# Altium PCB SysUprTestUUDown.PcbDoc (part 2 of 3) (continued)
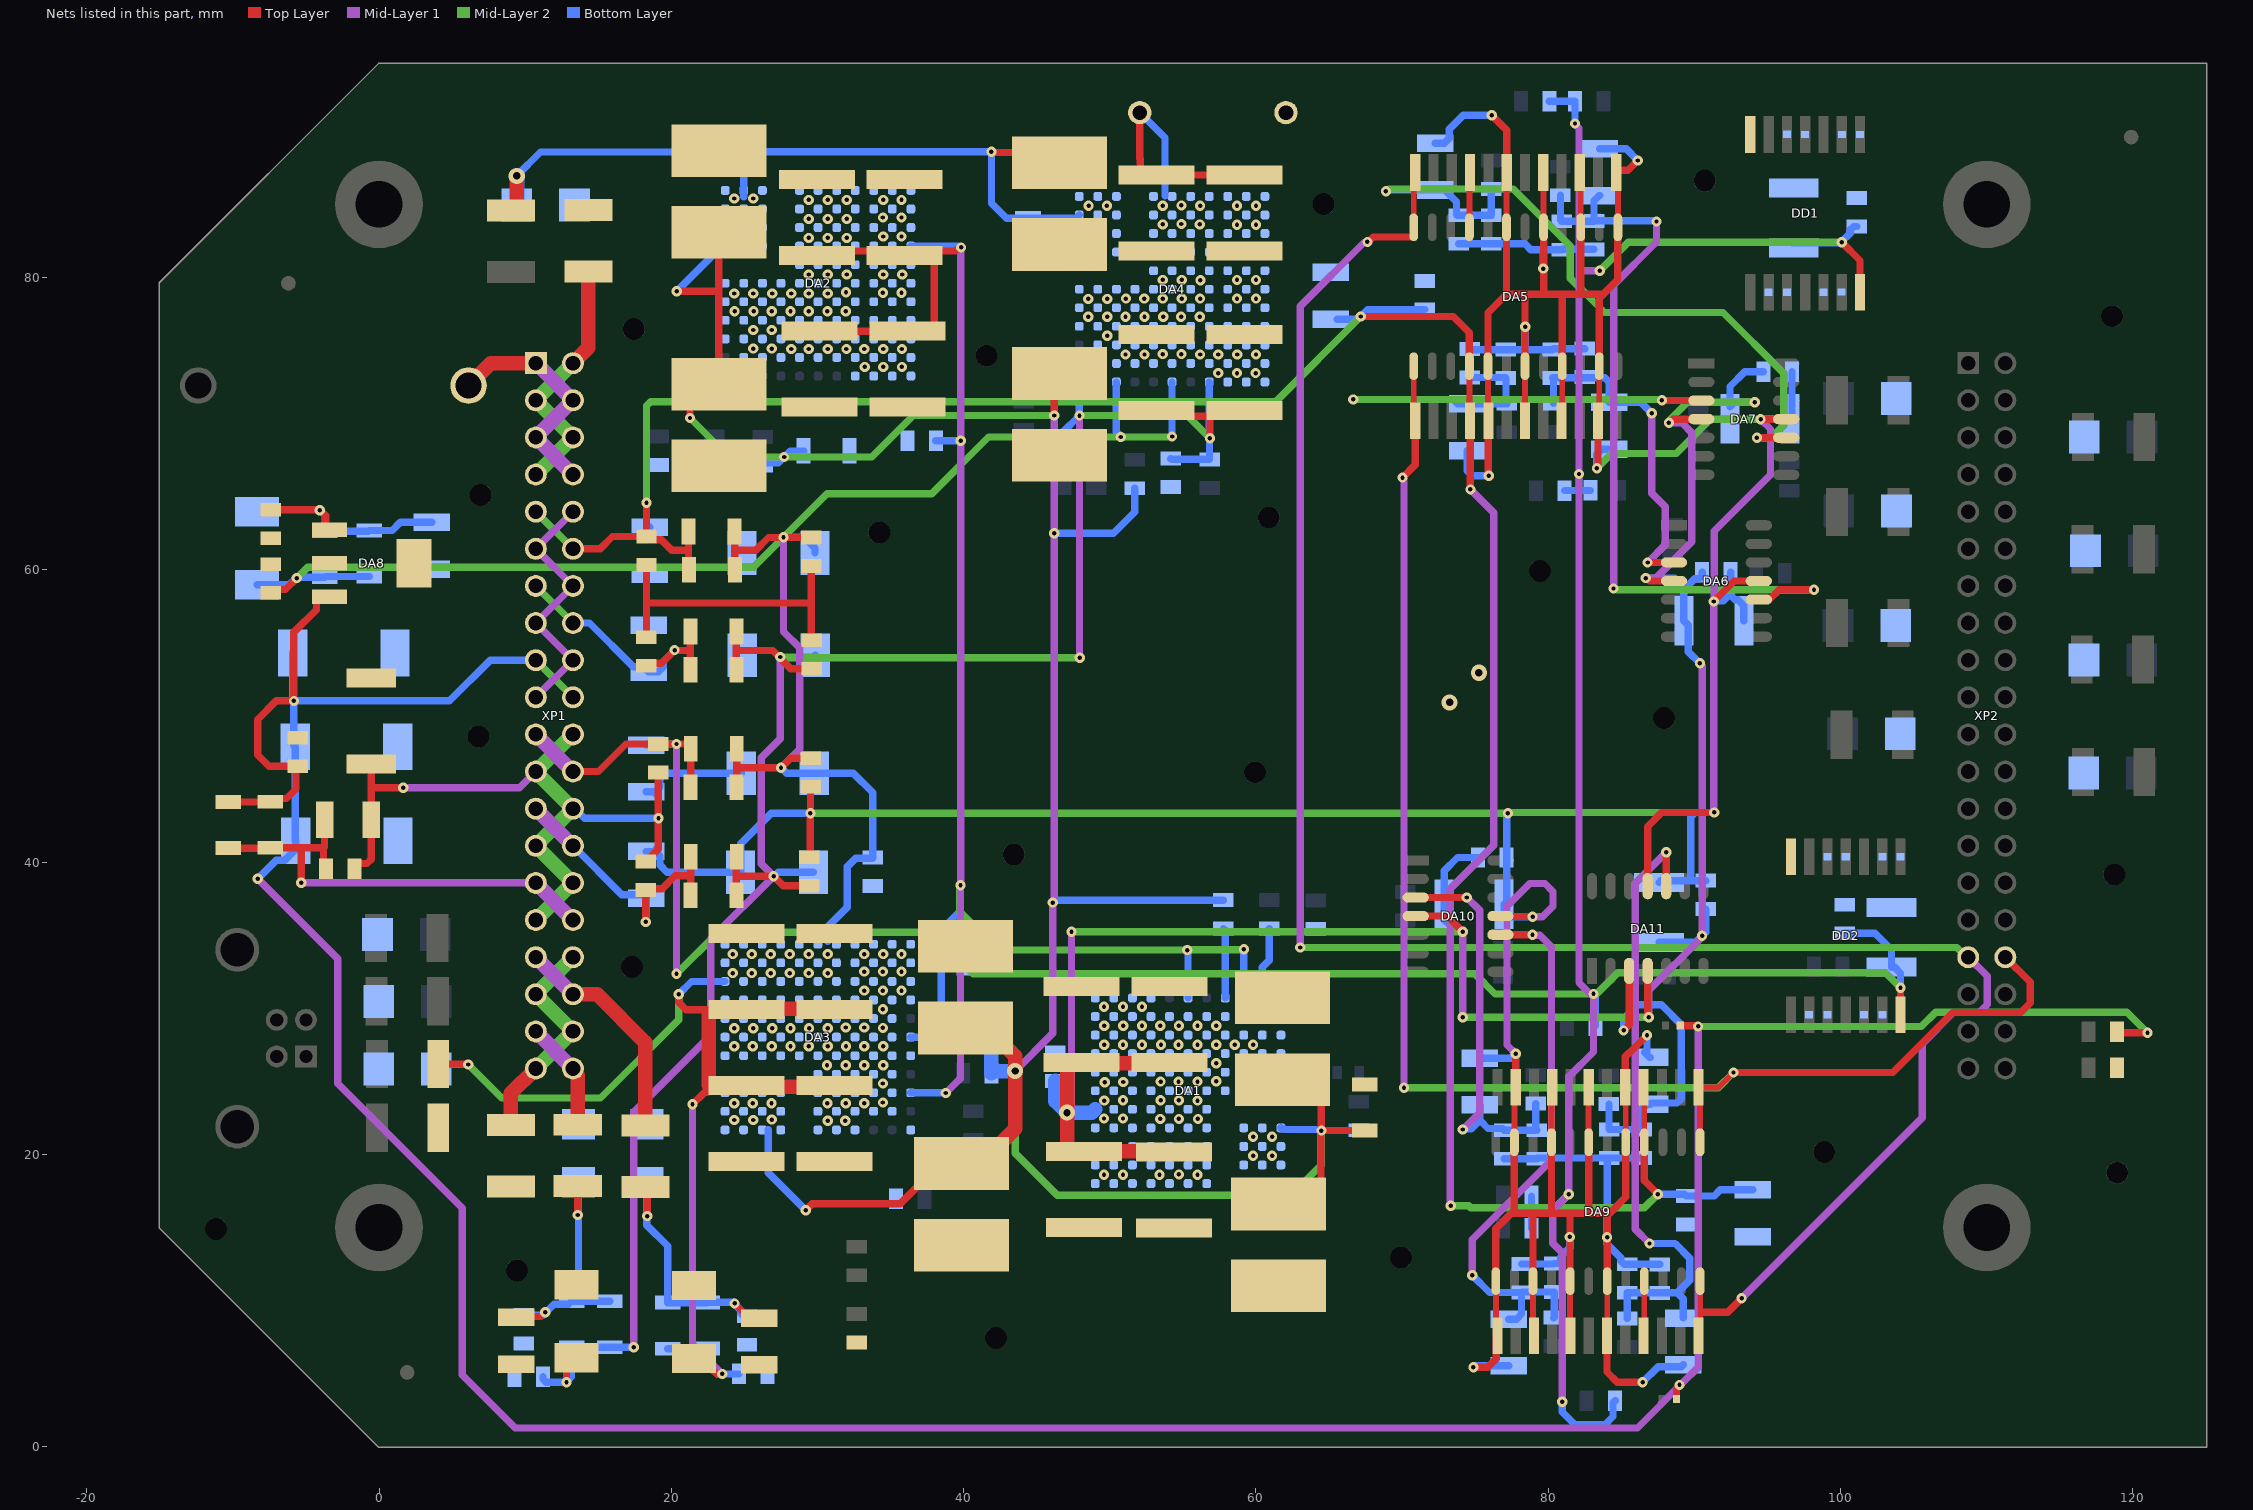
[diagram p4: the nets of this part, all layers, seen from the top]
## Nets (pads, with @x,y where several pads share a name; then routed paths per layer and width w, separated by ;. In a path a pad name is that pad's centre, name@x,y a point inside that pad or via, vN(x,y) a via of type N, cw(c..) or ccw(c..) an arc to the next point about the centre after c; other vN are vias at no path point) (continued)
+5V_I: C19.1 C20.1 C21.1 C29.2 C30.2 C35.2 C36.2 C42.2 C43.2 C61.2 C64.2 C79.2 C85.2 DA3.J9 DA4.A3 DA4.A6 FU14.1 L1.1 L2.1 L4.1 L7.1 R45.1 R46.1 R52.1 R80.1 VD14.KA2 | length 218
  Top Layer w0.5: C42.2@-7.4,58.425 -7.175,58.65 -6.4,58.65 v1(-5.625,59.425) ; FU14.1@4.05,26.175 6.075,26.175 v1(6.1,26.15) ; v1(20.5,30.95) 20.503,30.947 20.503,30.397 21,29.9 22.55,29.9 25.125,29.9 C30.2@25.146,29.921 ; v1(21.45,23.425) 22.246,24.221 22.264,24.221 ccw(c22.264,25.516) 23.179,24.6 C20.1@25.15,24.6 ; C79.2@21.55,6.025 22.05,6.025 22.8,5.275 22.8,5.268 23.093,4.975 v1(23.475,4.975) ; R46.1@24.329,62.613 24.329,61.323 ; L2.1@24.354,60.009 24.329,60.034 24.329,61.323 ; L4.1@24.45,45.129 24.475,45.154 24.475,46.452 ; R52.1@24.475,47.75 24.475,46.452 ; C64.2@29.525,47.1 28.15,47.1 v1(27.502,46.452) 24.475,46.452 ; C43.2@29.575,62.2 26.65,62.2 25.773,61.323 24.329,61.323
  Top Layer w1: 22.55,24.721 C30.2@22.55,29.6 ; C30.2@25.146,29.921 25.191,29.966 31.105,29.966 C29.2@31.15,29.921 ; C20.1@25.15,24.6 25.15,24.621 C19.1@31.154,24.621
  Mid-Layer 1 w0.5: v1(21.45,23.425) 21.45,7 v1(23.475,4.975) ; v1(27.502,46.452) 28.775,47.725 28.775,54.65 27.675,55.75 v1(27.675,62.225) ; v1@54.166,69.075 54.206,69.115 v1(54.26,69.115)
  Mid-Layer 2 w0.5: v1(-5.625,59.425) -4.875,60.175 25.625,60.175 v1(27.675,62.225) 30.65,65.2 37.825,65.2 41.7,69.075 v1(50.75,69.075) 54.166,69.075 54.206,69.115 v1(54.26,69.115) ; v1(6.1,26.15) 8.4,23.85 15.15,23.85 20.5,29.2 v1(20.5,30.95)
  Bottom Layer w0.5: C35.2@-8.35,58.963 -6.137,58.963 v1@-5.65,59.45 ; v1@-5.612,59.488 L1.1@-3.7,59.488 -3.65,59.538 R45.1@-0.675,59.538 ; VD14.KA2@3.925,25.841 4.234,26.15 v1(6.1,26.15) ; R80.1@19.75,6.7 22.421,6.7 22.421,5.679 23.125,4.975 v1(23.475,4.975) C85.2@24.625,4.975 ; v1(20.5,30.95) 21.381,31.831 DA3.J9@23.675,31.831 ; v1(27.502,46.452) 27.518,46.452 27.895,46.075 C61.2@29.775,46.075 32.45,46.075 33.775,44.75 C21.1@33.775,40.3 33.743,40.268 32.618,40.268 32.025,39.675 32.025,36.9 30.7,35.575 30.7,34.575 ; v1(27.675,62.225) 29.075,62.225 29.825,61.475 C36.2@29.825,61.15 ; DA4.A3@50.45,72.84 50.45,69.429 50.75,69.129 v1(50.75,69.075) ; v1(54.26,69.115) DA4.A6@54.26,72.84
  other v1: 24.2,32.4 25.5,32.4 26.8,32.4 28.1,32.4 29.4,32.4 30.7,32.4 24.2,33.7 25.5,33.7 26.8,33.7 28.1,33.7 29.4,33.7 30.7,33.7
+5V_PCB: FU7.2 XP1.33 XP1.36 | length 15.6
  Top Layer w1: XP1.36@13.27,30.95 14.925,30.95 18.225,27.65 FU7.2@18.225,21.975
  Mid-Layer 1 w1: XP1.33@10.73,33.49 XP1.36@13.27,30.95
+9V: C16.1 C17.1 C18.1 C27.2 C28.2 DA1.A3 DA1.A6 DA2.J9 DA3.A3 DA3.A6 | length 128.7
  Top Layer w0.5: C27.2@29.95,81.8 39.421,81.8 39.633,82.012 39.787,82.012 v1(39.825,82.05) ; C17.1@30.425,76.316 C16.1@36.15,76.316 C16.1@36.441,76.316 ; C16.1@37.993,76.2 37.993,76.316 C28.2@37.993,81.711
  Mid-Layer 1 w0.5: v1(38.775,24.2) 39.782,25.207 v1(39.782,38.407) 39.8,38.425 v1(39.8,68.825) 39.8,82.025 v1(39.825,82.05)
  Mid-Layer 2 w0.5: v1(39.782,38.407) 39.744,38.369 39.744,38.228 39.725,38.209 39.725,36.6 42.35,33.975 v1(55.3,33.975) 55.325,34 59.15,34 v1(59.175,34.025)
  Bottom Layer w0.5: DA3.A3@36.375,24.211 38.764,24.211 v1(38.775,24.2) ; DA3.A6@36.375,28.021 37.246,28.021 38.475,29.25 38.475,35.35 39.782,36.657 v1(39.782,38.407) ; DA2.J9@36.39,82.14 39.594,82.14 39.645,82.088 39.787,82.088 v1(39.825,82.05) ; C18.1@38.1,68.825 v1(39.8,68.825) ; v1(55.3,33.975) 55.3,33.921 55.354,33.867 DA1.A6@55.354,30.7 ; DA1.A3@59.164,30.7 59.164,34.014 v1(59.175,34.025)
  other v1: 34.475,78.95 35.75,78.95 34.5,80.2 35.8,80.2 34.5,82.8 35.75,82.8 34.475,84.1 35.75,84.1 34.5,85.3 35.75,85.3
+18V: C13.1 C14.1 C15.1 C25.2 C26.2 C49.2 C50.2 C51.2 C52.2 C91.2 C92.2 C93.2 C94.2 DA1.J9 DA6.4 DA7.4 DA10.4 DA11.4 | length 167.8
  Top Layer w0.5: DA10.4@70.925,36.3 73.075,36.3 v1(74.15,35.225) ; v1(86.666,59.425) 86.72,59.425 86.92,59.225 DA6.4@88.6,59.225 ; DA11.4@86.8,32.546 86.8,29.504 86.875,29.429 v1(86.875,29.375) ; v1(88.25,70.05) 88.304,70.05 88.554,70.3 DA7.4@90.475,70.3
  Top Layer w1: C13.1@53.5,26.2 53.472,26.228 47.103,26.228 47.075,26.2 v2(47.075,22.85) 47.075,20.35 47.225,20.2 C26.2@48.25,20.2 54.35,20.2 C25.2@54.375,20.175
  Mid-Layer 1 w0.5: v2(47.075,22.85) 47.075,23.012 47.375,23.312 v1(47.375,35.225) ; v1(74.15,29.375) v1(74.15,35.225) ; v1(86.666,59.425) 87.35,59.425 89.825,61.9 89.825,69.375 89.15,70.05 v1(88.25,70.05) ; v1(86.875,29.375) 86.875,31.225 90.525,34.875 90.525,53.396 90.375,53.546 v1(90.375,53.6)
  Mid-Layer 2 w0.5: v1(47.375,35.225) v1(74.15,35.225) ; v1(74.15,29.375) v1(86.875,29.375) ; v1(88.25,70.05) 88.25,70.104 88.35,70.204 88.35,70.275 89.525,71.45 v1(94.125,71.45)
  Bottom Layer w0.5: v1(74.15,35.225) 74.112,35.263 73.987,35.263 73.655,35.596 73.572,35.596 73.514,35.654 73.279,35.654 72.879,36.054 72.879,39.404 73.784,40.309 C91.2@75.2,40.309 ; v1(86.666,59.425) 87.816,59.425 88.65,59.425 89.275,58.8 89.275,58.625 ; C94.2@87.571,34.5 90.075,34.5 v1(90.525,34.95) ; v1(90.375,53.6) 89.58,54.395 89.58,56.195 C50.2@89.275,56.5 89.275,58.625 ; C49.2@90.525,59.825 90.525,59.6 90.3,59.375 90.025,59.375 89.275,58.625 ; 90.775,35.2 C93.2@90.775,36.775 ; v1(94.125,71.45) 92.729,71.45 92.429,71.15 92.429,72.529 93.434,73.534 C51.2@94.725,73.534
  Bottom Layer w1: C15.1@46.275,25.025 46.275,23.65 v2(47.075,22.85) 48.774,22.85 DA1.J9@49.004,23.08
  other v1: 49.6,18.6 50.9,18.6 49.6,22.45 50.9,22.45 49.625,23.675 50.9,23.7 49.65,24.925 50.925,24.95
+48V: C1.1 C2.1 C3.1 C4.1 C5.1 C6.1 C7.1 C8.1 C9.1 C10.1 C11.1 C12.1 DA1.J1 DA2.J1 DA3.J1 DA4.J1 FU1.1 R3.1 R4.1 R5.1 R8.1 VD2.KA2 | length 266.4
  Top Layer w0.5: FU1.1@9.025,84.575 9.425,84.975 9.45,85 v2@9.45,86.875 ; v1(20.375,79.05) 23.125,79.05 23.25,78.925 ; v1(21.275,70.375) 21.275,71.55 22.825,73.1 23.271,73.1 23.25,73.121 23.25,78.925 ; C4.1@23.25,83.075 23.25,78.925 ; v1(29.2,16.175) 29.65,16.625 35.654,16.625 36.85,17.821 38.4,19.371 C10.1@39.85,19.371 ; v1(41.9,88.6) 41.954,88.6 42.004,88.55 C7.1@46.541,88.55 ; v1(46.2,70.55) 46.2,73.079 C8.1@46.546,73.425 ; C1.1@61.55,16.6 62.9,16.6 64.45,18.15 64.45,21.6 v1(64.475,21.625) ; C2.1@61.8,25.1 62.925,25.1 64.475,23.55 v1(64.475,21.625) ; C3.1@67.45,21.625 v1(64.475,21.625)
  Top Layer w1: FU1.1@9.025,84.575 9.175,84.575 9.425,84.825 9.425,84.975 v2(9.425,86.95) ; C10.1@39.85,19.371 41.3,19.371 42.6,20.671 42.6,20.835 43.525,21.76 v2(43.525,25.7) 43.525,26.696 41.575,28.646 C11.1@40.125,28.646
  Mid-Layer 1 w0.5: v2(43.525,25.7) 46.1,28.275 v1(46.1,37.225) 46.1,37.279 46.2,37.379 v1(46.2,62.5) v1(46.2,70.55)
  Mid-Layer 2 w0.5: v1(21.275,70.375) 23.938,67.712 v1(27.712,67.712) 33.712,67.712 36.55,70.55 v1(46.2,70.55) ; v2(43.525,25.7) 43.525,20.075 46.4,17.2 62.4,17.2 64.475,19.275 v1(64.475,21.625)
  Bottom Layer w0.5: v2(9.425,86.95) 11.05,88.575 24.15,88.575 24.95,87.775 ; v1(20.375,79.05) 23.415,82.09 23.64,82.09 DA2.J1@23.69,82.14 ; 24.95,85.5 24.95,87.775 ; R4.1@26.25,67.125 26.43,67.305 27.305,67.305 v1(27.712,67.712) 28.118,68.118 29.043,68.118 C6.1@29.05,68.125 ; 26.625,21.7 26.625,18.75 v1(29.2,16.175) ; v1(46.1,37.225) 46.154,37.225 46.321,37.391 R3.1@57.775,37.391 ; v1(46.2,62.5) 50.25,62.5 51.7,63.95 R8.1@51.7,65.575 ; DA4.J1@47.91,84.27 47.69,84.05 C12.1@44.4,84.05 42.925,84.05 41.9,85.075 v1(41.9,88.6) 25.775,88.6 24.95,87.775 ; DA1.J1@61.704,21.81 61.754,21.76 61.913,21.76 61.973,21.7 64.259,21.7 64.295,21.663 64.437,21.663 v1(64.475,21.625)
  Bottom Layer w1: VD2.KA2@9.425,84.95 9.45,84.975 v2@9.45,86.875 ; C9.1@40.375,29.546 41.304,29.546 41.9,28.95 R5.1@41.9,25.664 ; R5.1@41.9,25.546 R5.1@41.9,25.664 ; v2(43.525,25.7) 43.514,25.689 41.925,25.689 R5.1@41.9,25.664
  other v1: 59.8,19.9 61.1,19.9 59.8,21.2 61.1,21.2 24.3,22.35 25.6,22.35 26.875,22.375 24.3,23.5 25.575,23.5 26.85,23.5 48.55,84.9 49.8,84.9 24.3,85.4 25.6,85.4
+48V_IN: VD1.A XP1.1 XP1.4 XP1.5 XP1.8 | length 16
  Top Layer w1: VD1.A@6.125,72.6 7.655,74.13 XP1.1@10.73,74.13
  Mid-Layer 1 w1: XP1.1@10.73,74.13 10.98,73.88 XP1.4@13.27,71.59 XP1.5@10.73,69.05 XP1.8@13.27,66.51
-5V_A: C72.1 C74.1 L5.2 R53.2 XP1.25 XP1.28 | length 20
  Top Layer w0.5: v1(18.25,35.9) C74.1@18.25,38.075 18.355,38.18 19.38,38.18 20.254,39.054 21.325,39.054 ; R53.2@21.3,37.729 21.325,37.754 21.325,39.054 ; L5.2@21.325,40.354 21.325,39.054
  Mid-Layer 1 w1: XP1.25@10.73,43.65 XP1.28@13.27,41.11
  Bottom Layer w0.5: XP1.28@13.27,41.11 16.61,37.77 18.03,37.77 C72.1@18.275,37.525 18.25,37.5 v1(18.25,35.9)
-5V_D: C56.1 C60.1 L3.2 R47.2 XP1.13 XP1.16 | length 18.9
  Top Layer w0.5: C60.1@18.275,53.425 18.455,53.605 19.33,53.605 v1(20.225,54.5) 20.256,54.469 21.3,54.469 ; R47.2@21.3,53.166 21.3,54.469 ; L3.2@21.3,55.771 21.3,54.469
  Mid-Layer 2 w0.5: XP1.13@10.73,58.89 XP1.16@13.27,56.35
  Bottom Layer w0.5: XP1.16@13.27,56.35 14.4,56.35 17.4,53.35 18.1,53.35 C56.1@18.45,53 19.1,53 19.45,53.35 19.45,53.725 v1(20.225,54.5)
-5V_I: C22.1 C23.1 C24.1 C31.2 C32.2 C37.1 C44.1 C62.1 C65.1 C80.1 C86.1 DA4.A1 L3.1 L5.1 L8.1 R10.2 R18.1 R47.1 R53.1 R81.1 VD3.A | length 166.6
  Top Layer w0.5: v1(12.825,4.4) 12.825,5.4 C80.1@13.5,6.075 ; R53.1@24.45,37.729 24.45,39.029 ; R47.1@24.45,53.166 24.45,54.469 ; L3.1@24.45,55.771 24.45,54.469 ; L5.1@24.475,40.354 24.45,40.329 24.45,39.029 ; C65.1@29.425,38.375 27.65,38.375 v1(26.996,39.029) 24.45,39.029 ; C44.1@29.6,53.225 28.175,53.225 26.931,54.469 24.45,54.469 ; VD3.A@52.05,91.275 52.05,88.146 52.089,88.107 52.089,87.4 52.489,87 C22.1@53.196,87 C23.1@59.2,87 ; C31.2@53.2,70.5 56.85,70.5 v1(56.85,69)
  Mid-Layer 1 w0.5: v1(17.425,6.8) 17.425,22.875 22.7,28.15 22.7,34.734 v1(26.996,39.029) 26.15,39.875 26.15,47.125 27.45,48.425 v1(27.45,54.025) ; v1(47.929,70.544) 47.929,53.996 v1(47.942,53.983)
  Mid-Layer 2 w0.5: v1(27.45,54.025) 27.488,53.987 27.63,53.987 27.634,53.983 v1(47.942,53.983) ; v1(47.929,70.544) 47.935,70.55 55.3,70.55 v1(56.85,69)
  Bottom Layer w0.5: C86.1@11.225,4.775 11.225,4.625 11.45,4.4 v1(12.825,4.4) 12.825,4.443 13.175,4.793 L8.1@13.175,6.8 R81.1@15.779,6.8 v1(17.425,6.8) ; 27.321,39.3 C62.1@29.725,39.3 ; v1(27.45,54.025) 29.725,54.025 C37.1@29.85,54.15 ; R10.2@46.746,67.825 46.746,69.361 v1(47.929,70.544) 47.91,70.563 DA4.A1@47.91,72.84 ; VD3.A@52.05,91.275 53.775,89.55 53.775,85.575 ; C24.1@54.175,67.6 54.225,67.55 R18.1@56.825,67.55 56.825,68.975 v1(56.85,69) 56.85,69.054 56.8,69.104 DA4.A1@56.8,72.84
  other v1: 57.425,73.45 58.7,73.45 59.975,73.45 51.075,74.725 52.375,74.725 56.175,74.725 57.425,74.725 58.725,74.725 60,74.725 53.625,74.75 54.9,74.75 49.825,76 48.525,77.3 49.825,77.3 51.075,77.3 52.375,77.3 53.65,77.3 54.875,77.3 56.15,77.3 48.525,78.525 49.825,78.525 51.1,78.55 52.35,78.55 53.625,78.55 54.925,78.55 56.175,78.55 56.2,79.8 53.625,79.825 54.925,79.825 53.625,83.625 56.15,83.625 54.9,83.65 53.625,84.9 56.175,84.9 54.9,84.925
-5V_PCB: FU9.2 XP1.37 XP1.40 | length 7.6
  Top Layer w1: XP1.40@13.27,25.87 13.27,25.735 13.596,25.409 FU9.2@13.596,22.025
  Mid-Layer 1 w1: XP1.37@10.73,28.41 XP1.40@13.27,25.87
DS_MISO: DA5.13 DA9.13 XP2.34 | length 98
  Top Layer w0.4: DA9.13@90.27,24.575 91.65,24.575 v1(92.675,25.6)
  Top Layer w0.5: v1(70.025,66.3) 70.9,67.175 DA5.13@70.9,70.175 ; v1(92.675,25.6) 103.575,25.6 107.675,29.7 112.325,29.7 112.975,30.35 112.975,31.785 XP2.34@111.27,33.49
  Mid-Layer 1 w0.5: v1(70.025,66.3) 70.025,66.246 70.125,66.146 v1(70.125,24.55)
  Mid-Layer 2 w0.5: v1(70.125,24.55) 91.625,24.55 v1(92.675,25.6)
DS_MOSI: DA5.12 DA9.12 XP2.33 | length 136.5
  Top Layer w0.4: DA9.12@90.4,7.705 90.4,9.2
  Top Layer w0.5: v1(67.625,82.425) 67.678,82.425 68.018,82.765 70.744,82.765 70.79,82.811 DA5.12@70.79,83.425 ; 90.65,9.2 92.275,9.2 v1(93.225,10.15)
  Mid-Layer 1 w0.5: v1(63.025,34.15) 63.025,78.025 67.387,82.387 67.587,82.387 v1(67.625,82.425) ; v1(93.225,10.15) 105.575,22.5 105.575,27.55 107.725,29.7 109.475,29.7 110.025,30.25 110.025,32.195 XP2.33@108.73,33.49
  Mid-Layer 2 w0.5: v1(63.025,34.15) 107.937,34.15 108.597,33.49 XP2.33@108.73,33.49
GND: C1.2 C2.2 C3.2 C4.2 C5.2 C6.2 C7.2 C8.2 C9.2 C10.2 C11.2 C12.2 C13.2 C14.2 C15.2 C16.2 C17.2 C18.2 C19.2 C20.2 C21.2 C22.2 C23.2 C24.2 C25.1 C26.1 C27.1 C28.1 C29.1 C30.1 C31.1 C32.1 C33.1 C34.1 C35.1 C36.1 C37.2 C42.1 C43.1 C44.2 C53.1 C54.1 C55.1 C56.2 C57.2 C58.1 C59.1 C60.2 C63.1 C66.1 C67.1 C68.1 C69.2 C70.1 C75.1 C76.1 C79.1 C80.2 C85.1 C86.2 C95.1 C96.2 C97.1 C98.2 DA1.A1 DA1.C1 DA2.A1 DA2.C1 DA3.A1 DA3.A5 DA4.J9 DA5.9 DA8.2 DA8.4 DA9.9 DD1.7 DD2.7 FU2.2 FU8.1 FU17.1 R2.2 R7.2 R11.2 R12.1 R14.1 R16.1 R19.1 R20.1 R21.1 R22.1 R24.1 R26.1 R28.1 R30.1 R54.1 R55.1 R56.1 R57.1 R59.1 R61.1 R63.1 R65.1 R67.1 R86.1 VD2.KA1 VD3.K VD4.KA1 VD5.KA1 VD6.KA1 VD7.KA1 VD8.KA1 VD9.KA2 VD10.KA1 VD11.KA1 VD12.KA1 VD13.KA1 VD14.KA1 VD15.KA1 VD16.KA1 XP1.10 XP1.11 XP1.14 XP1.15 XP1.18 XP1.19 | length 39.3
  Top Layer w0.5: C60.2@18.275,55.375 18.3,55.4 18.3,57.863 ; C59.1@18.3,60.325 18.3,57.863 ; C43.1@29.575,60.25 29.575,57.725 ; C44.2@29.6,55.175 29.575,55.2 29.575,57.725 ; 18.3,57.863 18.437,57.725 29.575,57.725
  Mid-Layer 1 w0.5: XP1.19@10.73,51.27 XP1.18@13.27,53.81 XP1.15@10.73,56.35 XP1.14@13.27,58.89 XP1.11@10.73,61.43 XP1.10@13.27,63.97
  other v1: 53.4,18.6 56,18.6 54.725,18.625 30.7,22.3 31.9,22.3 53.45,22.425 54.725,22.425 56.025,22.425 30.675,23.5 31.925,23.5 33.2,23.5 34.475,23.55 56,23.675 53.475,23.7 54.725,23.7 34.475,24.85 53.475,24.975 54.7,24.975 56,24.975 57.275,25 30.65,26.1 31.925,26.1 33.2,26.1 34.5,26.1 57.275,26.225 24.3,27.4 25.575,27.4 26.875,27.4 28.15,27.4 29.4,27.4 30.7,27.4 31.95,27.4 33.2,27.4 34.5,27.4 49.625,27.5 50.9,27.5 52.2,27.5 53.5,27.5 54.7,27.5 56,27.5 57.275,27.5 58.55,27.5 59.8,27.5 24.3,28.625 25.6,28.625 26.9,28.625 28.15,28.625 29.425,28.625 30.7,28.625 34.475,28.65 31.925,28.675 33.2,28.675 49.625,28.8 50.925,28.8 52.2,28.8 53.45,28.8 54.725,28.8 56,28.8 57.275,28.8 34.475,29.925 49.6,30.1 50.9,30.1 52.2,30.1 33.2,31.2 34.475,31.2 35.75,31.2 33.2,32.5 34.475,32.5 35.75,32.5 33.2,33.7 34.5,33.7 35.75,33.7 33.225,73.875 34.5,73.875 35.775,73.875 28.2,75.1 29.4,75.1 30.7,75.1 31.975,75.1 33.2,75.1 34.5,75.1 35.775,75.1 25.6,75.125 26.875,75.125 25.6,76.4 26.875,76.4 24.325,77.675 25.625,77.675 26.875,77.675 28.15,77.675 29.4,77.675 30.675,77.675 31.925,77.675 58.7,78.55 60,78.55 24.3,78.9 25.6,78.9 26.9,78.9 28.2,78.9 29.4,78.9 30.7,78.9 31.95,78.975 58.7,79.825 60,79.825 29.4,80.2 30.7,80.2 32,80.2 29.4,82.7 30.7,82.7 32,82.7 58.7,83.6 60,83.6 29.4,84 30.7,84 32,84 58.7,84.9 60,84.9 29.4,85.3 30.7,85.3 32,85.3
  other v2: 73.25,50.925 75.25,52.95
GND_IN: FU2.1 XP1.2 XP1.3 XP1.6 XP1.7 | length 17.5
  Top Layer w1: XP1.2@13.27,74.13 14.325,75.185 FU2.1@14.325,80.4
  Mid-Layer 2 w1: XP1.7@10.73,66.51 XP1.6@13.27,69.05 XP1.3@10.73,71.59 XP1.2@13.27,74.13
GND_PCB: FU8.2 XP1.34 XP1.35 XP1.38 XP1.39 | length 15.4
  Top Layer w1: FU8.2@9.025,22 9.025,24.165 XP1.39@10.73,25.87
  Mid-Layer 2 w1: XP1.39@10.73,25.87 XP1.38@13.27,28.41 XP1.35@10.73,30.95 XP1.34@13.27,33.49
GNDA: C38.2 C39.2 C40.2 C41.2 C45.1 C46.1 C47.1 C48.1 C49.1 C50.1 C51.1 C52.1 C61.1 C62.2 C64.1 C65.2 C71.1 C72.2 C73.1 C74.2 C77.1 C78.1 C81.2 C82.2 C83.2 C84.2 C87.1 C88.1 C89.1 C90.1 C91.1 C92.1 C93.1 C94.1 DA5.1 DA5.3 DA5.5 DA5.7 DA5.17 DA5.19 DA5.21 DA5.23 DA6.11 DA7.11 DA9.1 DA9.3 DA9.5 DA9.7 DA9.17 DA9.19 DA9.21 DA9.23 DA10.11 DA11.11 R31.1 R32.1 R33.1 R34.1 R67.2 R68.1 R69.1 R70.1 R71.1 XP1.22 XP1.23 XP1.26 XP1.27 XP1.30 XP1.31 | length 435.1
  Top Layer w0.5: C78.1@-1.763,39.591 -1.45,39.904 -0.818,39.904 -0.525,40.196 C77.1@-0.525,42.894 -0.525,45.075 ; R67.2@-0.525,46.698 -0.525,45.075 ; v1(1.65,45.075) -0.525,45.075 ; C74.2@18.25,40.025 18.475,40.025 18.7,40.25 18.7,40.475 19.1,40.875 C73.1@19.1,46.125 ; C65.2@29.425,40.325 29.512,40.412 v1(29.512,43.338) 29.525,43.352 C64.1@29.525,45.15 ; v1(74.875,5.425) 75.85,5.425 76.43,6.005 76.43,7.485 DA9.1@76.52,7.575 ; DA5.17@75.87,73.925 75.87,77.57 77.14,78.84 ; DA5.17@75.9,70.175 75.9,66.45 v1(75.925,66.425) ; v1(76.125,91.1) 77.15,90.075 DA5.7@77.15,87.175 ; DA9.1@76.41,11.325 76.41,14.91 77.475,15.975 ; DA10.11@76.725,36.3 76.75,36.275 78.9,36.275 v1(78.925,36.25) ; DA5.7@77.14,83.425 77.14,78.84 ; DA9.23@77.68,20.825 77.68,16.18 77.475,15.975 ; DA9.23@77.77,24.575 77.77,26.87 v1(77.775,26.875) ; DA5.19@78.41,73.925 78.41,78.755 78.325,78.84 ; DA9.3@78.95,11.325 78.95,15.875 78.85,15.975 ; DA5.5@79.68,83.425 79.68,78.92 79.6,78.84 ; DA9.21@80.22,20.825 80.22,15.98 80.225,15.975 ; DA5.21@80.95,73.925 80.95,78.765 80.875,78.84 ; DA9.5@81.49,11.325 81.49,15.973 81.488,15.975 ; DA5.3@82.22,83.425 82.22,78.94 82.32,78.84 ; DA9.19@82.76,20.825 82.76,15.985 82.75,15.975 ; v1(83.325,66.933) 83.325,66.987 83.4,67.062 DA5.23@83.4,70.175 ; DA5.23@83.49,73.925 83.49,78.565 83.765,78.84 ; DA9.7@84.02,7.575 84.02,5.105 84.725,4.4 v1(86.45,4.4) ; DA9.7@84.03,11.325 84.03,15.87 83.925,15.975 ; DA5.1@84.65,87.175 84.65,87.232 84.75,87.332 85.457,87.332 v1(86.125,88) ; DA5.1@84.76,83.425 84.76,79.835 83.765,78.84 ; DA9.17@85.27,24.575 85.27,26.67 85.87,27.27 v1(86.75,28.15) ; DA9.17@85.3,20.825 85.3,17.075 84.2,15.975 83.925,15.975 ; DA11.11@86.8,38.346 86.8,42.425 87.769,43.394 v1(91.356,43.394) ; v1(91.325,57.825) 92.725,59.225 DA6.11@94.4,59.225 ; v1(94.525,70.3) DA7.11@96.275,70.3 ; 77.14,78.84 78.325,78.84 ; 77.475,15.975 78.85,15.975 ; 78.325,78.84 79.6,78.84 ; 78.85,15.975 80.225,15.975 ; 79.6,78.84 80.875,78.84 ; 80.225,15.975 81.488,15.975 ; 80.875,78.84 82.32,78.84 ; 81.488,15.975 82.75,15.975 ; 82.32,78.84 83.765,78.84 ; 82.75,15.975 83.925,15.975
  Mid-Layer 1 w0.5: v1(1.65,45.075) 9.615,45.075 XP1.23@10.73,46.19 ; v1(77.775,26.875) 77.175,27.475 77.175,36.975 78.725,38.525 79.775,38.525 80.325,37.975 80.325,36.975 79.6,36.25 v1(78.925,36.25) ; v1(91.325,57.825) 91.325,43.425 v1(91.356,43.394) ; v1@91.325,57.917 91.35,57.917 91.35,62.65 95.2,66.5 95.2,69.625 v1(94.525,70.3)
  Mid-Layer 2 w0.5: v1(29.512,43.338) v1(77.238,43.338) 77.277,43.377 77.418,43.377 77.436,43.394 v1(91.356,43.394) ; v1(83.325,66.933) 84.342,67.95 88.75,67.95 91.1,70.3 v1(94.525,70.3)
  Mid-Layer 2 w1: XP1.31@10.73,36.03 XP1.30@13.27,38.57 XP1.27@10.73,41.11 XP1.26@13.27,43.65 XP1.23@10.73,46.19 XP1.22@13.27,48.73
  Bottom Layer w0.5: XP1.26@13.27,43.65 13.413,43.65 14.063,43 v1(19.125,43) ; C72.2@18.275,40.725 C72.2@18.775,40.725 ; C71.1@18.275,44.8 C71.1@18.775,44.8 ; C61.1@24.775,46.075 19.55,46.075 19.23,45.755 19.23,45.15 18.88,44.8 C71.1@18.775,44.8 ; v1(29.512,43.338) 26.838,43.338 24.757,41.257 24.757,39.332 C62.2@24.725,39.3 19.7,39.3 19.23,39.77 19.23,40.375 18.88,40.725 C72.2@18.775,40.725 ; C48.1@72.271,89.179 72.876,89.179 73.226,89.529 73.226,90.135 74.191,91.1 v1(76.125,91.1) ; C41.2@73.875,82.3 R34.1@76.1,82.3 78.4,82.3 78.809,81.891 79.65,81.891 ; C47.1@74.456,68.15 74.456,66.748 74.779,66.425 v1(75.925,66.425) ; C40.2@74.625,75.1 74.671,75.054 R33.1@77.1,75.054 78.425,75.054 ; v1(74.875,5.425) 74.929,5.425 75.029,5.525 C88.1@77.3,5.525 ; C87.1@75.321,26.579 77.425,26.579 77.721,26.875 v1(77.775,26.875) ; C81.2@76.996,19.7 R68.1@79.2,19.7 79.246,19.746 C83.2@84.175,19.746 ; v1(77.238,43.338) 77.238,43.284 77.15,43.196 77.15,37.275 C92.1@76.979,37.104 76.979,36.675 77.379,36.275 77.379,36.25 v1(78.925,36.25) ; C82.2@78.171,12.5 80.371,12.5 R69.1@80.4,12.529 80.625,12.529 80.85,12.754 80.85,12.979 81.475,13.604 v1(81.475,14.35) ; v1(78.425,76.625) 78.425,75.054 ; v1(79.65,80.6) 79.65,81.891 ; C38.2@82.504,75.125 80.35,75.125 R31.1@80.3,75.075 80.279,75.054 78.425,75.054 ; C39.2@83.129,81.916 80.95,81.916 R32.1@80.925,81.891 79.65,81.891 ; v1(83.325,66.933) 83.325,67.896 83.675,68.246 C45.1@84.179,68.246 ; C46.1@83.524,88.796 85.329,88.796 v1(86.125,88) ; R70.1@86.379,19.75 84.179,19.75 C83.2@84.175,19.746 ; v1(86.45,4.4) 87.522,5.472 89.106,5.472 C90.1@89.229,5.596 ; v1(86.75,28.15) 86.75,26.979 86.6,26.979 86.95,26.629 C89.1@86.975,26.629 ; C94.1@87.571,38.6 87.696,38.725 89.75,38.725 ; C84.2@87.625,12.475 85.404,12.475 R71.1@85.4,12.479 85.175,12.479 84.95,12.704 84.95,12.929 84.025,13.854 v1(84.025,14.325) 84.025,19.596 C83.2@84.175,19.746 ; C93.1@90.775,38.725 89.75,38.725 ; v1(91.325,57.825) 91.363,57.863 91.967,57.863 92.475,58.371 ; v1(91.356,43.394) 90.062,43.394 89.75,43.082 89.75,38.725 ; C49.1@92.475,59.825 92.475,58.243 92.768,57.95 92.975,57.95 93.375,57.55 C50.1@93.375,56.5 ; v1(94.525,70.3) 96.5,70.3 C52.1@96.529,70.329 96.675,70.475 C51.1@96.675,73.534 ; C72.2@18.775,40.725 19.125,41.075 v1(19.125,43) ; C71.1@18.775,44.8 19.125,44.45 v1(19.125,43)
NetC38_1: C38.1 C45.2 DA6.3 R31.2 R35.1 | length 23.3
  Top Layer w0.5: v1(86.795,60.495) DA6.3@88.6,60.495
  Mid-Layer 1 w0.5: v1(86.795,60.495) 88,61.7 88,64.3 87.075,65.225 v1(87.075,70.7)
  Bottom Layer w0.5: R35.1@80.35,71.371 80.35,73.075 R31.2@80.3,73.125 83.875,73.125 84.179,72.821 C45.2@84.179,71.446 86.329,71.446 v1(87.075,70.7)
NetC39_1: C39.1 C46.2 DA6.10 R32.2 R36.1 | length 54.4
  Top Layer w0.5: DA6.10@94.4,57.955 94.438,57.993 95.168,57.993 95.8,58.625 v1(98.175,58.625)
  Mid-Layer 1 w0.5: v1(84.46,58.71) 84.475,58.725 84.475,79.5 87.4,82.425 v1(87.4,83.825)
  Mid-Layer 2 w0.5: v1(84.46,58.71) 84.498,58.671 84.639,58.671 84.686,58.625 v1(98.175,58.625)
  Bottom Layer w0.5: R36.1@80.829,85.616 80.829,83.937 R32.2@80.925,83.841 83.104,83.841 C39.1@83.129,83.866 ; C46.2@83.524,85.596 83.479,85.596 83.129,85.246 C39.1@83.129,83.866 ; v1(87.4,83.825) 87.359,83.866 C39.1@83.129,83.866
NetC40_1: C40.1 C47.2 DA7.3 R33.2 R37.1 | length 38.8
  Top Layer w0.5: v1(87.775,71.6) 87.805,71.57 DA7.3@90.475,71.57
  Mid-Layer 2 w0.5: v1(66.65,71.65) 87.671,71.65 87.721,71.6 v1(87.775,71.6)
  Bottom Layer w0.5: v1(66.65,71.65) 73.506,71.65 73.806,71.35 R37.1@77.15,71.35 77.1,71.4 R33.2@77.1,73.104 77.054,73.15 C40.1@74.625,73.15
NetC41_1: C41.1 C48.2 DA7.10 R34.2 R38.1 | length 51.8
  Top Layer w0.5: v1(94.275,69.025) 94.28,69.03 DA7.10@96.275,69.03
  Mid-Layer 2 w0.5: v1(68.887,85.9) 68.941,85.9 69.091,86.05 77.6,86.05 81.5,82.15 81.5,79.95 83.85,77.6 91.95,77.6 96.1,73.45 96.1,69.875 95.25,69.025 v1(94.275,69.025)
  Bottom Layer w0.5: v1(68.887,85.9) 68.941,85.9 69.021,85.979 72.921,85.979 73.718,85.182 73.718,84.285 73.753,84.25 R34.2@76.1,84.25 R38.1@76.1,86.05
NetC54_2: C54.2 C58.2 DA8.1 L1.2 R45.2 | length 14.1
  Top Layer w0.5: C58.2@-7.4,64.1 v1@-4.05,64.1 ; v1@-4.037,64.088 -3.645,63.695 -3.645,62.983 DA8.1@-3.4,62.738
  Bottom Layer w0.5: v1(-4.05,64.075) -3.7,63.725 L1.2@-3.7,62.638 -0.725,62.638 R45.2@-0.675,62.688 0.913,62.688 1.463,63.238 C54.2@3.6,63.238
NetC81_1: C81.1 C87.2 DA10.3 R68.2 R72.1 | length 28.7
  Top Layer w0.5: DA10.3@70.925,37.57 74.42,37.57 v1(74.425,37.575)
  Mid-Layer 1 w0.5: v1(74.15,21.7) 75.3,22.85 75.3,36.7 v1(74.425,37.575)
  Bottom Layer w0.5: v1(74.15,21.7) 74.188,21.738 74.744,21.738 75.328,22.322 ; C87.2@75.321,23.379 75.328,23.372 75.328,22.322 ; R72.1@79.15,23.475 79.15,21.7 R68.2@79.2,21.65 C81.1@76.996,21.65 76.876,21.77 75.88,21.77 75.328,22.322
NetC82_1: C82.1 C88.2 DA10.10 R69.2 R73.1 | length 38.9
  Top Layer w0.5: DA10.10@76.725,35.03 v1(78.92,35.03)
  Mid-Layer 1 w0.5: v1(74.8,11.725) 74.8,14.175 80.225,19.6 80.225,34.2 79.433,34.992 78.958,34.992 v1(78.92,35.03)
  Bottom Layer w0.5: v1(74.8,11.725) 75.975,10.55 C82.1@78.171,10.55 ; C88.2@77.3,8.725 77.821,8.725 78.171,9.075 C82.1@78.171,10.55 ; R73.1@80.375,8.825 80.4,8.85 R69.2@80.4,10.579 78.2,10.579 C82.1@78.171,10.55
NetC83_1: C83.1 C89.2 DA11.3 R70.2 R74.1 | length 23.4
  Top Layer w0.5: v1(85.15,28.481) 85.15,28.494 85.53,28.874 DA11.3@85.53,32.546
  Bottom Layer w0.5: R74.1@84.15,23.45 84.15,21.721 84.171,21.7 R70.2@86.379,21.7 86.379,23.079 86.729,23.429 C89.2@86.975,23.429 87.053,23.507 88.807,23.507 89.1,23.8 89.1,28.875 87.75,30.225 86.1,30.225 85.169,29.293 85.169,28.5 v1(85.15,28.481)
NetC84_1: C84.1 C90.2 DA11.10 R71.2 R75.1 | length 43.4
  Top Layer w0.5: DA11.10@88.07,38.346 88.07,40.67 v1(88.075,40.675)
  Mid-Layer 1 w0.5: v1(86.925,13.9) 85.95,14.875 85.95,38.55 v1(88.075,40.675)
  Bottom Layer w0.5: R75.1@85.4,8.775 R71.2@85.4,10.529 87.621,10.529 C84.1@87.625,10.525 88.825,10.525 ; v1(86.925,13.9) 88.675,13.9 89.675,12.9 89.675,11.375 88.825,10.525 ; C90.2@89.229,8.796 89.229,10.121 88.825,10.525
NetC95_2: C95.2 C97.2 FU7.1 L7.2 R80.2 VD8.KA2 | length 18.8
  Top Layer w0.5: FU7.1@18.225,17.775 18.35,17.65 v1(18.35,15.775) ; v1(24.325,9.8) 24.975,9.15 25.65,9.15 C95.2@26,8.8
  Bottom Layer w0.5: VD8.KA2@18.325,18.1 18.325,15.8 v1(18.35,15.775) 18.325,15.75 18.325,15.15 19.75,13.725 R80.2@19.75,9.85 22.421,9.85 L7.2@22.446,9.875 v1@24.225,9.875 ; v1@24.312,9.788 24.725,9.375 24.725,9.15 24.95,8.925 C97.2@25.175,8.925
NetC96_1: C96.1 C98.1 FU9.1 L8.2 R81.2 VD9.KA1 | length 18.1
  Top Layer w0.5: C96.1@9.375,8.85 9.432,8.907 11.082,8.907 v1(11.375,9.2) ; FU9.1@13.596,17.825 13.596,15.854 v1(13.6,15.85)
  Bottom Layer w0.5: C98.1@9.9,9 v1@11.225,9 ; v1@11.4,9.175 11.97,9.745 L8.2@12.97,9.745 ; L8.2@13.175,9.95 L8.2@13.421,9.95 ; VD9.KA1@13.646,18.1 13.646,10.175 L8.2@13.421,9.95 ; R81.2@15.779,9.95 L8.2@13.421,9.95
NetDA1_A2: DA1.A2 R13.1 | length 4.9
  Bottom Layer w0.5: DA1.A2@60.434,30.7 60.434,32.809 60.9,33.275 R13.1@60.9,35.441
NetDA1_A4: DA1.A4 R3.2 | length 4.8
  Bottom Layer w0.5: R3.2@57.775,35.441 57.894,35.322 DA1.A4@57.894,30.7